# KiCad board qEdge-UI.kicad_pcb (continued)
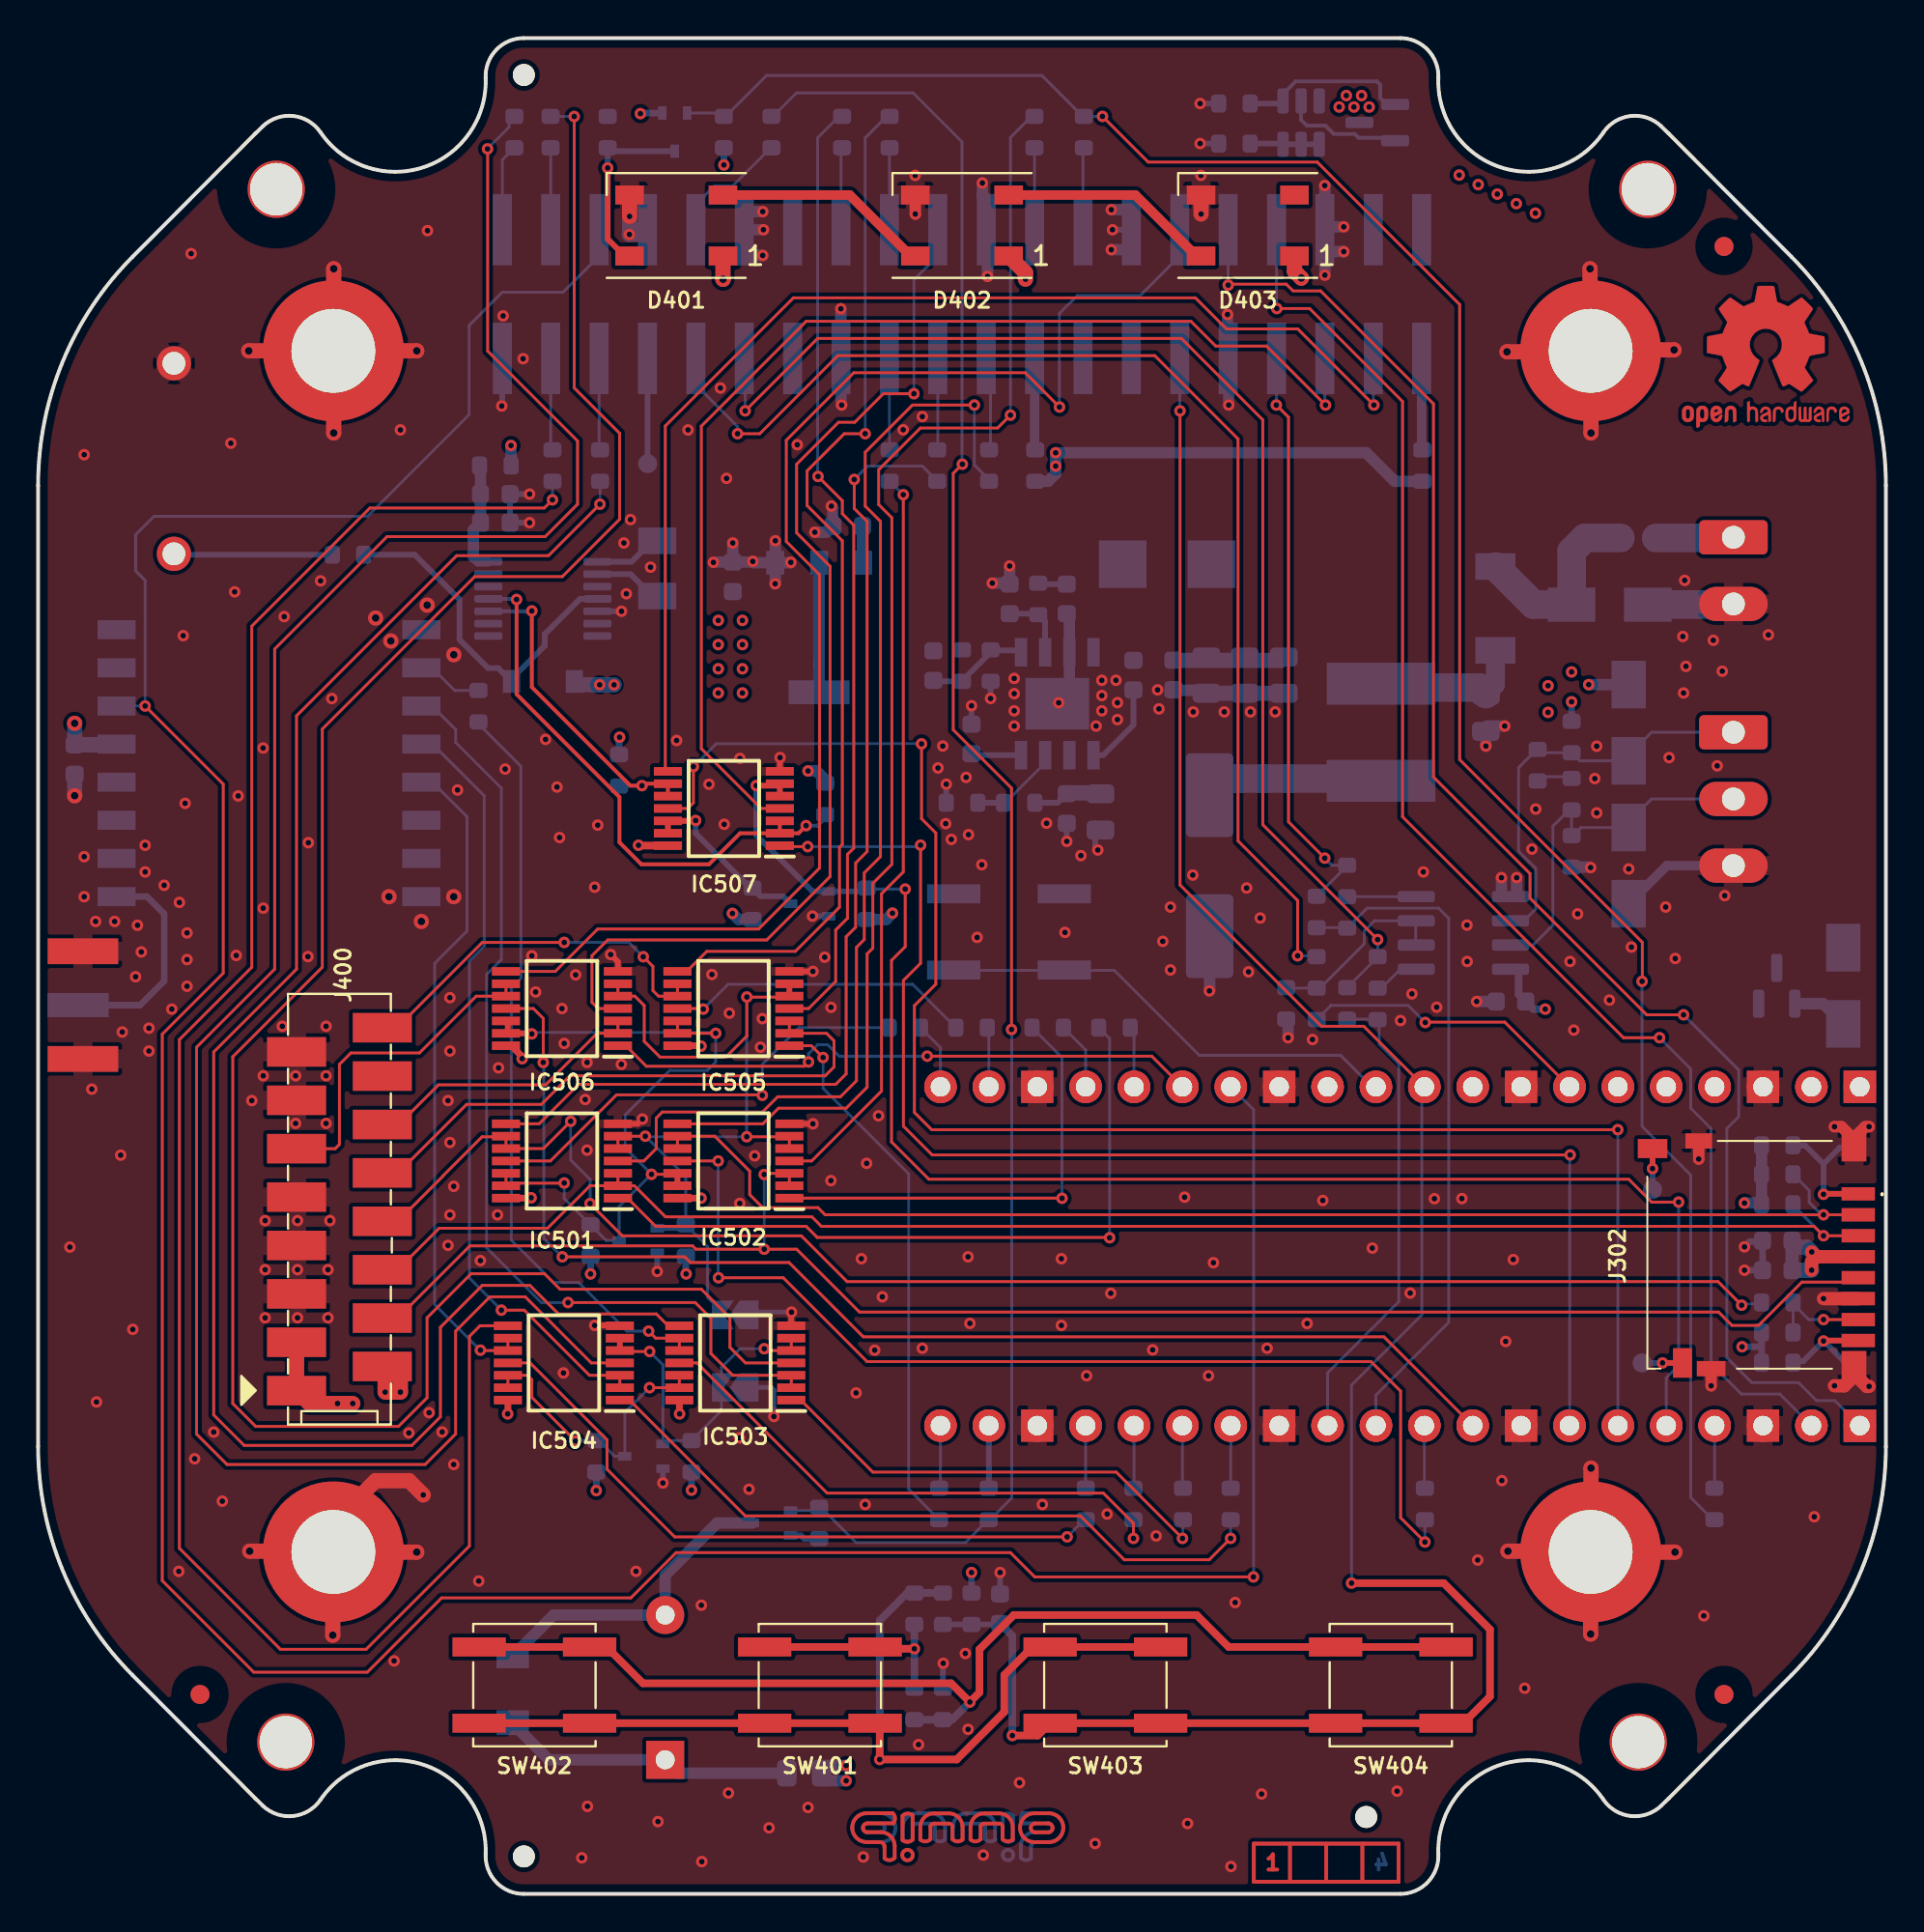
[diagram p0: board, top side]
## Footprints (pads in the part's own frame, mm; a bottom-side part is the same pattern mirrored in y, then rotated) (continued)
SolderJumper-2_P1.3mm_Open_TrianglePad1.0x1.5mm
  custom 1.5x1.5 smd: 1(-0.725,0)
  custom 1.15x1.5 smd: 2(0.725,0)
SOP65P640X110-14N
  rect 1.475x0.45 smd: 1(-2.938,1.95) 2(-2.938,1.3) 3(-2.938,0.65) 4(-2.938,0) 5(-2.938,-0.65) 6(-2.938,-1.3) 7(-2.938,-1.95) 8(2.938,-1.95) 9(2.938,-1.3) 10(2.938,-0.65) 11(2.938,0) 12(2.938,0.65) 13(2.938,1.3) 14(2.938,1.95)
SOT230P700X180-4N
  rect 1.25x0.95 smd: 1(-3.4,2.3) 2(-3.4,0) 3(-3.4,-2.3)
  rect 1.25x3.2 smd: 4(3.4,0)
SOT-23
  rrect 1.475x0.6 smd: 1(-0.938,0.95) 2(-0.938,-0.95) 3(0.938,0)
SOT-23-6
  rrect 1.325x0.6 smd: 1(-1.137,0.95) 2(-1.137,0) 3(-1.137,-0.95) 4(1.137,-0.95) 5(1.137,0) 6(1.137,0.95)
SOT-323_SC-70
  rect 0.7x0.45 smd: 1(-1,0.65) 2(-1,-0.65) 3(1,0)
SW_Push_1P1T_NO_CK_KSC6xxJ
  rect 2.8x1 smd: 1(-2.9,2) 1(2.9,2) 2(-2.9,-2) 2(2.9,-2)
TestPoint_Pad_D1.0mm
  round 1 smd: 1(0,0)
TSSOP-14_4.4x5mm_P0.65mm
  rrect 1.475x0.4 smd: 1(-2.862,1.95) 2(-2.862,1.3) 3(-2.862,0.65) 4(-2.862,0) 5(-2.862,-0.65) 6(-2.862,-1.3) 7(-2.862,-1.95) 8(2.862,-1.95) 9(2.862,-1.3) 10(2.862,-0.65) 11(2.862,0) 12(2.862,0.65) 13(2.862,1.3) 14(2.862,1.95)
Wuerth_WR-BHD_61234020621
  rect 1x3.75 smd: 1(-24.13,-3.375) 2(-24.13,3.375) 3(-21.59,-3.375) 4(-21.59,3.375) 5(-19.05,-3.375) 6(-19.05,3.375) 7(-16.51,-3.375) 8(-16.51,3.375) 9(-13.97,-3.375) 10(-13.97,3.375) 11(-11.43,-3.375) 12(-11.43,3.375) 13(-8.89,-3.375) 14(-8.89,3.375) 15(-6.35,-3.375) 16(-6.35,3.375) 17(-3.81,-3.375) 18(-3.81,3.375) 19(-1.27,-3.375) 20(-1.27,3.375) 21(1.27,-3.375) 22(1.27,3.375) 23(3.81,-3.375) 24(3.81,3.375) 25(6.35,-3.375) 26(6.35,3.375) 27(8.89,-3.375) 28(8.89,3.375) 29(11.43,-3.375) 30(11.43,3.375) 31(13.97,-3.375) 32(13.97,3.375) 33(16.51,-3.375) 34(16.51,3.375) 35(19.05,-3.375) 36(19.05,3.375) 37(21.59,-3.375) 38(21.59,3.375) 39(24.13,-3.375) 40(24.13,3.375)
Wuerth_WR-MM_690367281676
  rect 1.55x3.1 smd: 1(-9.525,2.25) 2(-8.255,-2.25) 3(-6.985,2.25) 4(-5.715,-2.25) 5(-4.445,2.25) 6(-3.175,-2.25) 7(-1.905,2.25) 8(-0.635,-2.25) 9(0.635,2.25) 10(1.905,-2.25) 11(3.175,2.25) 12(4.445,-2.25) 13(5.715,2.25) 14(6.985,-2.25) 15(8.255,2.25) 16(9.525,-2.25)

## Nets
+3V3: C209.1 C301.1 C302.1 C501.1 C503.1 D501.2 IC201.2 IC201.4 IC501.14 IC502.14 IC503.14 IC504.14 IC505.14 IC506.14 IC507.14 J302.4 J400.2 Q401.1 R330.1 R331.1 R333.1 R334.1 R335.1 R336.1 R338.1 R339.1 R401.1 R407.1 R411.1 R503.1 R504.1 R507.1 R509.1 R510.1 R511.1 R512.1 R513.1 R514.1 U501.13 U503.8
+5V: C206.1 C211.1 C212.1 C213.1 C214.1 C215.1 D300.1 D301.2 D401.1 D402.1 D403.1 IC201.3 J400.1 J400.3 L202.2 Q301.3 Q302.6 Q303.3 R202.1 R404.1
/Connectors, Power supplies/VIN_IC202: C202.1 C203.1 C204.1 IC202.2 L201.2 R204.1
/RPis, RTC, µSD/5V0_RPI-4B: J301.2 J301.4 Q302.5 Q303.2
GND: C201.2 C202.2 C203.2 C204.2 C205.2 C206.2 C208.2 C209.2 C210.2 C212.2 C213.2 C214.2 C215.2 C301.2 C302.2 C303.2 C304.2 C305.1 C403.2 C501.2 C503.2 D201.1 D401.3 D402.3 D403.3 D502.1 IC201.1 IC202.7 IC202.9 IC501.7 IC502.7 IC503.7 IC504.7 IC505.7 IC506.7 IC507.7 J201.2 J202.3 J301.6 J301.9 J301.14 J301.20 J301.25 J301.30 J301.34 J301.39 J302.6 J302.9 J302.10 J302.11 J302.12 J303.3 J303.8 J303.13 J303.18 J304.3 J304.8 J304.13 J304.18 J305.3 J305.8 J305.13 J305.18 J306.3 J306.8 J306.13 J306.18 J400.5 J400.7 J400.9 J400.13 J400.15 J501.2 JP500.1 JP501.1 Q402.2 Q501.2 Q502.2 Q503.2 R203.2 R205.2 R328.2 R329.2 R403.2 R410.2 R502.2 R506.2 SPA101.1 SPA102.1 SPA103.1 SPA104.1 SW301.1 U301.3 U301.8 U301.13 U301.18 U301.23 U301.28 U301.33 U301.38 U302.5 U501.1 U501.8 U501.10 U503.5
VCC: C201.1 D202.1 L201.1
/Comm. ifaces, Misc/4B_I2C0_SCL: IC507.4 J301.5
/Comm. ifaces, Misc/4B_I2C0_SDA: IC507.8 J301.3
/Comm. ifaces, Misc/4B_LCD_CS: IC505.8 R316.2
/Comm. ifaces, Misc/4B_LCD_DATA: IC506.4 J301.22
/Comm. ifaces, Misc/4B_LCD_LEDs: IC506.8 J301.12
/Comm. ifaces, Misc/4B_RTP_CS: IC505.4 R317.2
/Comm. ifaces, Misc/4B_SPI0_MISO: IC501.8 R310.1
/Comm. ifaces, Misc/4B_SPI0_MOSI: IC501.4 R309.1
/Comm. ifaces, Misc/4B_SPI0_SCK: IC502.4 R311.1
/Comm. ifaces, Misc/4B_SPI1_CS: IC504.8 R313.1
/Comm. ifaces, Misc/4B_SPI1_MISO: IC503.8 R312.1
/Comm. ifaces, Misc/4B_SPI1_MOSI: IC503.4 R319.2
/Comm. ifaces, Misc/4B_SPI1_SCK: IC504.4 R320.2
/Comm. ifaces, Misc/4B_uSD_CS: IC502.8 R315.2
/Comm. ifaces, Misc/CTRL_SPI0: IC501.12 IC501.13 IC502.12 IC502.13 IC505.12 IC505.13 IC506.12 IC506.13 Q501.3 R509.2
/Comm. ifaces, Misc/CTRL_SPI0#: IC501.5 IC501.6 IC502.5 IC502.6 IC505.5 IC505.6 IC506.5 IC506.6 JP500.2 Q501.1 R503.2
/Comm. ifaces, Misc/CTRL_SPI1: IC503.12 IC503.13 IC504.12 IC504.13 Q502.3 R510.2
/Comm. ifaces, Misc/CTRL_SPI1#: IC503.5 IC503.6 IC504.5 IC504.6 JP501.2 Q502.1 R507.2
/Comm. ifaces, Misc/I2C_SCL: IC507.2 IC507.3 R514.2 U302.11
/Comm. ifaces, Misc/I2C_SDA: IC507.9 IC507.10 R513.2 U302.10
/Comm. ifaces, Misc/LCD_CS: IC505.9 IC505.10 J400.16
/Comm. ifaces, Misc/LCD_DATA: IC506.2 IC506.3 J400.12
/Comm. ifaces, Misc/LCD_LEDs: IC506.9 IC506.10 J400.11
/Comm. ifaces, Misc/LoRa_Antenna: J501.1 U501.9
/Comm. ifaces, Misc/LoRa_CS: IC504.9 IC504.10 U501.5
/Comm. ifaces, Misc/LoRa_MISO: IC503.9 IC503.10 R508.2
/Comm. ifaces, Misc/LoRa_MOSI: IC503.2 IC503.3 U501.3
/Comm. ifaces, Misc/LoRa_SCK: IC504.2 IC504.3 U501.4
/Comm. ifaces, Misc/LoRa_SPI_MISO: R508.1 U501.2
/Comm. ifaces, Misc/Multi_MISO: IC501.9 IC501.10 J400.8 R332.1
/Comm. ifaces, Misc/Multi_MOSI: IC501.2 IC501.3 J302.3 J400.6 R333.2
/Comm. ifaces, Misc/Multi_SCK: IC502.2 IC502.3 J302.5 J400.4
/Comm. ifaces, Misc/Pico_LCD_CS: IC505.11 R323.2
/Comm. ifaces, Misc/Pico_RTP_CS: IC505.1 R308.1
/Comm. ifaces, Misc/Pico_SPI0_MISO: IC501.11 R324.2
/Comm. ifaces, Misc/Pico_SPI0_MOSI: IC501.1 R321.2
/Comm. ifaces, Misc/Pico_SPI0_SCK: IC502.1 R322.2
/Comm. ifaces, Misc/Pico_SPI1_CS: IC504.11 R306.1
/Comm. ifaces, Misc/Pico_SPI1_MISO: IC503.11 R305.1
/Comm. ifaces, Misc/Pico_SPI1_MOSI: IC503.1 R304.1
/Comm. ifaces, Misc/Pico_SPI1_SCK: IC504.1 R303.1
/Comm. ifaces, Misc/Pico_uSD_CS: IC502.11 R302.1
/Comm. ifaces, Misc/RS485_A: D501.1 J202.1 R504.2 R515.1 U503.6
/Comm. ifaces, Misc/RS485_B: D502.2 J202.2 R505.2 R506.1 U503.7
/Comm. ifaces, Misc/RTP_CS: IC505.2 IC505.3 J400.10
/Comm. ifaces, Misc/UART_RS485_EN: R325.2 R502.1 U503.2 U503.3
/Comm. ifaces, Misc/UART_RS485_RxD: R327.2 U503.1
/Comm. ifaces, Misc/UART_RS485_TxD: R326.2 U503.4
/Comm. ifaces, Misc/uSD_CS: IC502.9 IC502.10 J302.2 R331.2
/Connectors, Power supplies/COMP_IC202: C210.1 IC202.6 R201.1
/Connectors, Power supplies/EN_IC202: IC202.3 R204.2 R205.1
/Connectors, Power supplies/FB_IC202: C211.2 IC202.5 R202.2 R203.1
/Connectors, Power supplies/SS_IC202: C205.1 IC202.4
/Connectors, Power supplies/SW_IC202: C207.1 IC202.8 L202.1
/Connectors, Power supplies/V_IN: F201.1 J201.1
/Connectors, Power supplies/V_IN_PROT: D201.2 D202.2 F201.2
/RPis, RTC, µSD/4B_Buzzer: J301.32 R318.1
/RPis, RTC, µSD/4B_RGB_LED: J301.16 R314.1
/RPis, RTC, µSD/4B_SPI0_CE0#: J301.24 R316.1
/RPis, RTC, µSD/4B_SPI0_CE1#: J301.26 R317.1
/RPis, RTC, µSD/4B_SPI0_CLK_T: J301.23 R311.2
/RPis, RTC, µSD/4B_SPI0_MISO_T: J301.21 R310.2
/RPis, RTC, µSD/4B_SPI0_MOSI_T: J301.19 R309.2
/RPis, RTC, µSD/4B_SPI1_CLK_T: J301.40 R320.1
/RPis, RTC, µSD/4B_SPI1_CS_T: J301.37 R313.2
/RPis, RTC, µSD/4B_SPI1_MISO_T: J301.35 R312.2
/RPis, RTC, µSD/4B_SPI1_MOSI_T: J301.38 R319.1
/RPis, RTC, µSD/4B_UART_RS485_EN: J301.31 R325.3
/RPis, RTC, µSD/4B_UART_RS485_RxD: J301.29 R327.3 R341.1
/RPis, RTC, µSD/4B_UART_RS485_TxD: J301.7 R326.3 R340.1
/RPis, RTC, µSD/4B_uSD_CS_T: J301.18 R315.1
/RPis, RTC, µSD/Buzzer: Q402.1 R307.1 R318.2 R410.1
/RPis, RTC, µSD/CTRL_I2C_Pico#: IC507.5 IC507.6 J303.5 J305.5 Q503.1 R511.2 U301.5
/RPis, RTC, µSD/Key_ADC: C403.1 J301.11 J304.10 J306.10 R406.2 R407.2 SW403.2 SW404.2 U301.31
/RPis, RTC, µSD/LoRa_Int: J301.36 J304.14 J306.14 U301.27 U501.14
/RPis, RTC, µSD/Pico_Buzzer: J303.19 J305.19 R307.2 U301.19
/RPis, RTC, µSD/Pico_I2C0_SCL: IC507.1 J303.7 J305.7 U301.7
/RPis, RTC, µSD/Pico_I2C0_SDA: IC507.11 J303.6 J305.6 U301.6
/RPis, RTC, µSD/Pico_LCD_CS_T: J304.19 J306.19 R323.1 U301.22
/RPis, RTC, µSD/Pico_LCD_DATA: IC506.1 J304.15 J306.15 U301.26
/RPis, RTC, µSD/Pico_LCD_LEDs: IC506.11 J303.9 J305.9 U301.9
/RPis, RTC, µSD/Pico_RGB_LED: J303.4 J305.4 R301.2 U301.4
/RPis, RTC, µSD/Pico_RTP_CS_T: J303.20 J305.20 R308.2 U301.20
/RPis, RTC, µSD/Pico_RUN: J304.11 J306.11 SW301.2 U301.30
/RPis, RTC, µSD/Pico_SPI0_MISO_T: J304.20 J306.20 R324.1 U301.21
/RPis, RTC, µSD/Pico_SPI0_MOSI_T: J304.16 J306.16 R321.1 U301.25
/RPis, RTC, µSD/Pico_SPI0_SCK_T: J304.17 J306.17 R322.1 U301.24
/RPis, RTC, µSD/Pico_SPI1_CS_T: J303.17 J305.17 R306.2 U301.17
/RPis, RTC, µSD/Pico_SPI1_MISO_T: J303.16 J305.16 R305.2 U301.16
/RPis, RTC, µSD/Pico_SPI1_MOSI_T: J303.15 J305.15 R304.2 U301.15
/RPis, RTC, µSD/Pico_SPI1_SCK_T: J303.14 J305.14 R303.2 U301.14
/RPis, RTC, µSD/Pico_UART_RS485_EN: J304.7 J306.7 R325.1 U301.34
/RPis, RTC, µSD/Pico_UART_RS485_RxD: J303.12 J305.12 R327.1 R341.2 U301.12
/RPis, RTC, µSD/Pico_UART_RS485_TxD: J303.11 J305.11 R326.1 R340.2 U301.11
/RPis, RTC, µSD/Pico_uSD_CS_T: J303.10 J305.10 R302.2 U301.10
/RPis, RTC, µSD/Pico_VBUS: D300.2 J304.1 J306.1 Q301.1 U301.40
/RPis, RTC, µSD/Pico_VSYS: J304.2 J306.2 Q301.2 U301.39
/RPis, RTC, µSD/RGB_LED: Q401.2 R301.1 R314.2 R401.2
/RPis, RTC, µSD/UART-4B_RxD-Pico_TxD: J301.10 J303.1 J305.1 U301.1
/RPis, RTC, µSD/UART-4B_TxD-Pico_RxD: J301.8 J303.2 J305.2 U301.2
/RPis, RTC, µSD/uSD_DAT1: J302.8 R335.2 TP303.1
/RPis, RTC, µSD/uSD_DAT2: J302.1 R330.2 TP302.1
/RPis, RTC, µSD/uSD_SPI_MISO: J302.7 R332.2 R334.2
Net-(BZ401-Pad1): BZ401.1 D404.1 R411.2
Net-(BZ401-Pad2): BZ401.2 D404.2 Q402.3
Net-(C207-Pad2): C207.2 IC202.1
Net-(C208-Pad1): C208.1 R201.2
Net-(C303-Pad1): C303.1 C304.1 R336.2 U302.14
Net-(C305-Pad2): C305.2 R337.2
Net-(D301-Pad1): D301.1 R337.1 U302.4
Net-(D401-Pad2): D401.2 D402.4
Net-(D401-Pad4): D401.4 Q401.3 R404.2
Net-(D402-Pad2): D402.2 D403.4
Net-(IC507-Pad12): IC507.12 IC507.13 Q503.3 R512.2
Net-(J301-Pad1): J301.1 R339.2
Net-(J301-Pad17): J301.17 R338.2
Net-(J301-Pad33): J301.33 TP301.1
Net-(J302-PadCD1): J302.CD1 TP304.1
Net-(J302-PadCD2): J302.CD2 TP305.1
Net-(Q302-Pad1): Q302.1 Q302.2 Q302.3 R328.1
Net-(Q302-Pad4): Q302.4 Q303.1 R329.1
Net-(R402-Pad1): R402.1 R405.1 SW401.1
Net-(R402-Pad2): R402.2 R403.1 SW402.1 SW404.1
Net-(R405-Pad2): R405.2 R406.1 SW401.2 SW402.2 SW403.1
Net-(R505-Pad1): R505.1 R515.2
Net-(U302-Pad1): U302.1 Y301.2
Net-(U302-Pad2): U302.2 Y301.1

Pads without a net: D403 2; J301 13 15 27 28; J304 4 5 6 9 12; J306 4 5 6 9 12; J400 14; U301 29 32 35 36 37; U302 3 6 7 8 9 12 13; U501 6 7 11 12 15 16

## Via types
v1: diameter 0.6, hole 0.3, Top to Bottom, 472 vias
v2: diameter 0.8, hole 0.4, Top to Bottom, 26 vias

## Routing (per net, layer and track width the routed paths; a pad name or vN(x,y) marks a point on that pad's centre or on a via; arc(x,y) is an arc through that point)
+3V3: length 80
  Top w0.35: v1(34.8,44.49) 34.77,44.52 IC505.14 ; IC501.14 25.86,36.52 v1(25.88,36.54) ; v1(24.65,25.19) 24.66,25.2 IC504.14 ; v1(33.68,25.19) 33.66,25.21 IC503.14 ; IC502.14 v1(34.8,36.52) ; v1(25.41,43.84) 25.41,43.94 24.92,44.44 24.92,44.52
  Top w0.4: IC507.14 31.54,55.02 v1(31.52,55.04)
  Top w0.7: 93.36,33.44 93.1,33.18 v1(93.1,32.73) ; 93.36,33.44 v1(93.11,33.69) ; 93.36,33.44 J302.4
  Top w0.8: 18.22,26.39 18.22,27.89 ; 19.02,27.84 v1(19.02,26.34) v1(18.22,26.34)
  Bottom w0.35: R401.1 v1(36,90.74) ; v1(30.52,60.71) 30.5,60.68 R513.1 ; 90.47,28.72 90.47,27.97 ; 90.47,28.72 R334.1 ; 90.47,28.72 v1(89.45,28.72) ; R503.1 34,32.56 v1(34.02,32.54) ; R504.1 v1(80.5,62.57) ; R509.1 v1(29,32.54) ; Q401.1 31.65,93.47 v1(31.62,93.44) ; v1(34.3,21.19) R507.1 ; R407.1 v1(49,16.87) ; v1(29.3,21.17) R510.1
  Bottom w0.4: 77.59,48.53 77.72,48.41 77.72,47.21 78.49,46.44 v1(79.12,46.44)
  Bottom w0.6: IC201.2 IC201.4 ; R511.1 44.52,51.14 v1(44.85,51.47) ; v1(53.42,75.64) 69.72,75.64 71.22,74.14 72.66,74.14 R339.1 ; v1(53.42,75.64) v1(53.42,74.94) ; v1(53.42,75.64) 53.42,74.54 53.02,74.14 R338.1 ; v1(36.45,51.46) 36.77,51.14 R512.1 ; v1(40.42,58.94) 40.86,58.94 41.5,58.29 ; v1(89.57,36.26) 89.58,36.27 90.47,36.27 90.47,39.27 ; 42.41,6.74 41.42,6.74 ; 24.82,74.97 v1(24.82,76.02) ; 42.37,5.94 41.07,5.94 ; D501.2 v1(81.4,63.47) ; 41.43,6.64 R411.1
  Bottom w0.7: 92.07,34.23 C301.1
  Bottom w0.8: U501.13 4.08,60.31 C503.1 v2(1.92,61.44) ; C301.1 v1(93.1,32.73) ; v1(93.11,33.69) 92.86,33.94 92.37,33.94 92.07,34.23
  vias: v1(35.71,66.84) v1(35.71,65.57) v1(35.71,64.3) v1(35.71,63.03) v1(36.98,66.84) v1(36.98,65.57) v1(36.98,64.3) v1(36.98,63.03) v1(42.42,6.74) v1(42.42,5.94) v1(79.27,63.41) v1(79.27,62.01) v1(80.5,64.13)
+5V: length 73.2
  Top w0.8: D401.1 35.95,84.76 v2(35.96,84.75) ; D403.1 65.95,85.17 v2(66.31,84.81) ; D402.1 51.83,85.08 v1(51.83,84.75) ; J400.3 J400.1 14.24,25.74 v1(16.52,25.74)
  In2.Cu w0.8: v1(30.23,63.46) 30.23,63.46 v1(29.48,63.46) 26.9,66.04 20.72,66.04 16.82,62.14 16.82,26.04 v1(16.52,25.74) v1(15.72,25.74)
  Bottom w0.6: C206.1 43.27,69.89
  Bottom w0.8: C212.1 59.6,64.74 65.22,64.74 C215.1 ; 28.16,63.46 30.23,63.46 v1(30.23,63.46)
  vias: v1(68.3,93.78) v1(68.68,94.38) v1(69.07,93.78) v1(69.47,94.38) v1(69.88,93.78) v1(74.6,90.21) v1(75.6,89.71) v1(76.6,89.21) v1(77.6,88.71) v1(78.6,88.21)
/Connectors, Power supplies/VIN_IC202: length 12.7
  Bottom w0.3: C204.1 53.52,57.27 52.32,57.27
  Bottom w0.8: 55.46,57.79 54.04,57.79 C204.1
  Bottom w1.5: 70.5,58.62 70.42,58.54 62.37,58.54 C202.1
/RPis, RTC, µSD/5V0_RPI-4B: length 6.2
  Bottom w0.2: 71.09,92.17 69.32,92.17 69.12,92.37 68.02,92.37 67.57,92.81 66.6,92.81 66.3,93.11 Q302.5
GND: length 149.5
  Top w0.3: IC501.7 31.48,40.42 v1(31.73,40.67) ; v1(30.06,49.3) 30.44,48.92 IC506.7 ; v1(29.22,29.84) 30.52,29.84 IC504.7 ; IC505.7 v1(40.68,48.42) ; v1(38.95,59.64) 38.94,59.63 IC507.7 ; IC502.7 v1(40.68,40.42) ; IC503.7 39.54,30.52 v1(39.55,30.53)
  Top w0.6: J302.11 v1(87.82,26.67) ; v1(96.12,40.27) 95.91,40.27 95.32,39.68 J302.10 ; v1(94.3,40.27) 94.67,40.27 95.32,39.61 ; D402.3 v1(46.05,88.17) ; J302.12 v1(87.17,38.57)
  Top w0.7: 95.32,27.69 95.32,27.18 94.81,26.67 v1(94.3,26.67) ; v1(96.12,26.64) 96,26.64 95.32,27.31 ; J302.6 v1(93.72,31.24)
  Top w0.8: 84.57,17.94 85.91,17.94 ; 18.52,17.94 19.86,17.94 ; 81.47,83.94 81.47,85.28 ; 81.52,20.99 81.52,22.33 ; 15.52,83.94 15.52,85.28 ; SPA101.1 16.93,20.9 17.72,21.69 19.47,21.69 v1(20.22,20.94) ; D403.3 v1(61.05,88.17) ; 84.52,81.04 85.86,81.04 ; 78.52,17.99 77.18,17.99 ; 78.47,80.94 77.13,80.94 ; 18.52,80.99 19.86,80.99 ; 12.42,80.99 11.08,80.99 ; 12.47,17.99 11.13,17.99 ; 15.52,78.04 15.52,76.7 ; 81.52,78.04 81.52,76.7 ; 15.47,14.94 15.47,13.6 ; SPA102.1 81.5,13.66 ; D401.3 v1(31.05,88.04)
  Bottom w0.15: U503.5 76.69,52.34 76.62,52.41
  Bottom w0.25: v1(38.63,25.06) 38.63,26.43 38.48,26.58 JP501.1 ; v1(39.55,30.53) 39.55,30.54 37.47,30.54 JP500.1
  Bottom w0.3: C403.2 v1(50.5,16.87) ; U302.5 v1(30.63,67.32) ; R328.2 v1(61,91.87) ; v1(55.63,54.79) 55.5,54.92 55.5,56.19 ; Q502.2 v1(32.8,21.57) ; v1(25.8,71.97) C304.2 C303.2 v1(25.8,73.47) ; R410.2 40.21,18.64 40.04,18.82 Q402.2 ; 36.47,69.95 v1(36.47,70.9) ; Q501.2 v1(32.5,32.67) ; 81.47,53.89 v1(81.5,53.87) ; R329.2 v1(61,93.97) ; Q503.2 v1(40.65,51.32) ; R403.2 47.5,12.09 v1(47.52,12.1) ; R205.2 v1(47.68,58.24) ; C205.2 v1(49,62.36) ; J301.39 24.37,78.12 v1(24.34,78.09) ; C204.2 v1(54,55.24) ; R203.2 v1(50,62.74) ; J301.14 v1(56.4,87.34) ; C206.2 41.4,71.47
  Bottom w0.35: v1(89.57,32.73) C301.2 90.53,34.23 89.85,34.23 v1(89.57,33.96)
  Bottom w0.5: 61.31,63.04 C213.2 ; D502.1 85.5,53.97 88.9,53.97 ; C212.2 59.76,63.04
  Bottom w0.6: v1(41.64,72.84) 41.73,72.76 C206.2 ; v1(56.34,88.39) 57.34,88.39 ; v1(61.49,47.39) 61.5,47.41 C202.2 ; v1(38.04,85.99) 37.14,85.99 ; C209.2 37.48,69.9 v1(37.52,69.94) 37.59,69.87 IC201.1 ; C209.2 v1(36.47,70.9) ; C209.2 35.46,69.9 v1(35.45,69.89) ; R506.2 81.47,53.89 ; 76.04,61.29 v1(76.99,61.29) ; v1(39.52,69.89) 39.5,69.87 IC201.1 ; 41.4,71.47 v1(40.77,71.47) ; v1(38.69,68.76) 38.7,68.77 IC201.1 ; J301.9 62.5,80.56 v1(62.5,78.14) ; 54.13,63.1 IC202.7 54.13,67.06 ; J301.25 42.15,78.17 v1(42.18,78.14) ; 76,61.19 v1(76,60.24) ; v1(49.57,89.79) 49.57,89.17 49.77,88.96 J301.20 ; v1(56.34,86.29) 57.44,86.29 ; IC201.1 v1(38.7,71.02) ; v1(67.54,89.66) 67.55,89.66 J301.6 v1(67.55,84.96) ; 61.31,63.04 61.18,63.17 59.89,63.17 59.76,63.04 ; v1(65.62,44.94) 65.62,45.96 ; v1(68.54,87.49) 67.74,87.49 ; 51.04,68.79 v1(50.09,68.79) ; v1(49.84,84.89) 49.84,87.27 ; v1(75.52,46.84) C501.2 ; C210.2 v1(51,69.69) ; v1(42.14,83.19) 42.14,80.6 ; v1(38.04,88.29) 37.14,88.29 ; v1(38.07,87.34) J301.30 ; v1(68.54,86.19) 67.74,86.19 ; v1(76.82,53.34) 76.82,52.61 ; v1(62.44,82.89) 62.44,80.62 ; v1(77.62,53.34) 77.62,52.41
  Bottom w0.8: C213.2 C215.2 ; v1(31.05,88.04) 31.05,87.1 31.75,87.1 J301.34 31.29,87.34 v1(31.04,87.09) ; C503.2 v2(1.92,57.64)
  Bottom w1.5: 88.9,67.67 D201.1
  vias: v1(1.67,33.95) v1(2.42,75.54) v1(2.42,54.44) v1(2.42,52.34) v1(2.82,42.24) v1(3.02,51.04) v1(3.07,25.82) v1(4.02,51.04) v1(4.34,38.77) v1(4.42,45.24) v1(4.97,29.63) v1(5.12,48.14) v1(5.22,50.84) v1(5.42,49.44) v1(5.62,55.04) v1(5.62,53.64) v1(5.82,45.44) v1(5.82,44.24) v1(6.62,52.94) v1(7.02,46.44) v1(7.42,52.04) v1(7.38,16.93) v1(7.62,66.04) v1(7.72,57.24) v1(7.82,50.44) v1(7.82,49.04) v1(7.82,47.64) v1(8.03,86.09) v1(8.22,22.84) v1(9.22,24.24) v1(9.67,20.61) v1(10.12,76.14) v1(10.32,68.34) v1(10.4,49.26) v1(10.5,57.63) v1(11.22,41.64) v1(11.81,60.14) v1(11.82,51.74) v1(11.82,42.94) v1(11.92,35.34) v1(11.92,32.76) v1(11.92,30.24) v1(12.82,45.54) v1(12.92,67.04) v1(13.52,42.94) v1(13.52,40.44) v1(13.62,35.34) v1(13.62,32.76) v1(13.62,30.24) v1(14.19,55.17) v1(14.17,49.2) v1(14.83,68.92) v1(15.12,45.54) v1(15.12,42.94) v1(15.12,40.44) v1(15.22,32.76) v1(15.22,30.24) v1(15.32,35.34) v1(15.42,62.74) v1(18.69,12.23) v1(19.02,76.84) v1(19.46,24.19) v1(20.44,87.29) v1(20.52,25.26) v1(21.21,24.24) v1(21.52,41.64) v1(21.52,34.04) v1(21.62,47.04) v1(21.62,44.24) v1(21.62,39.44) v1(21.62,35.64) v1(21.82,37.14) v1(21.82,22.54) v1(22.02,57.94) v1(23.13,16.42) v1(23.22,33.24) v1(24.12,35.64) v1(24.17,43.36) v1(24.41,82.82) v1(24.52,59.04) v1(25.46,80.57) v1(25.92,49.24) v1(26.12,47.34) v1(26.64,60.59) v1(27.24,58.09) v1(27.38,55.44) v1(27.5,46.47) v1(27.62,44.64) v1(27.58,27.34) v1(28.22,48.24) v1(28.54,1.89) v1(28.72,41.69) v1(28.82,43.64) v1(28.82,39.04) v1(28.84,4.59) v1(29.22,52.84) v1(29.38,56.09) v1(30.62,43.54) v1(30.75,70.9) v1(30.88,68.24) v1(31.1,72.13) v1(31.39,16.93) v1(32.15,69.63) v1(32.54,3.79) v1(33.52,60.54) v1(34.12,76.84) v1(34.82,15.15) v1(34.84,1.69) v1(35.22,58.24) v1(35.37,48.25) v1(35.82,79.04) v1(36.02,56.14) v1(36.14,74.29) v1(36.24,5.29) v1(36.29,46.23) v1(36.84,59.59) v1(36.83,36.24) v1(36.82,23.94) v1(37.32,21.24) v1(37.62,38.74) v1(37.92,44.44) v1(38.02,45.94) v1(38.37,3.47) v1(39.85,76.06) v1(40.42,4.54) v1(41.29,49.16) v1(41.62,46.53) v1(41.62,37.44) v1(42.94,26.29) v1(43.22,33.34) v1(43.32,1.94) v1(43.42,20.44) v1(43.49,38.34) v1(43.92,28.54) v1(44.12,40.84) v1(44.32,31.34) v1(45.41,76.84) v1(46.04,90.19) v1(46.22,7.84) v1(46.42,77.54) v1(46.42,28.64) v1(47.24,59.09) v1(47.49,60.24) v1(47.64,56.17) v1(47.94,55.34) v1(48.72,58.6) v1(48.68,12.62) v1(48.84,55.59) v1(48.82,33.44) v1(48.82,8.64) v1(48.91,29.94) v1(49.29,50.2) v1(49.54,54.02) v1(49.62,2.04) v1(51.24,63.79) v1(51.24,62.99) v1(51.24,62.09) v1(51.24,61.29) v1(51.52,5.84) v1(52.72,20.44) v1(52.94,56.19) v1(53.57,62.52) v1(53.72,33.34) v1(53.72,29.84) v1(53.91,50.46) v1(54.74,54.49) v1(55.04,27.19) v1(55.54,61.29) v1(55.49,2.64) v1(55.84,63.69) v1(55.84,62.89) v1(55.84,62.09) v1(56.12,19.94) v1(56.31,31.52) v1(56.58,63.7) v1(56.66,62.52) v1(56.66,61.63) v1(58.51,28.56) v1(58.69,18.79) v1(58.77,63.19) v1(58.84,62.19) v1(59.04,49.99) v1(59.44,51.79) v1(59.44,48.49) v1(60.19,36.57) v1(60.34,3.69) v1(60.64,62.04) v1(60.62,53.47) v1(61.04,90.19) v1(61.44,27.19) v1(61.7,33.13) v1(62.27,62.04) v1(62.62,1.44) v1(62.84,15.29) v1(63.44,52.79) v1(63.54,48.39) v1(63.64,62.04) v1(64.15,51.22) v1(64.23,5.24) v1(64.52,28.64) v1(64.94,62.04) v1(66.62,29.94) v1(66.9,44.84) v1(67.44,36.39) v1(70.04,33.89) v1(71.34,5.39) v1(71.52,45.84) v1(72.03,31.53) v1(72.12,47.24) v1(72.72,53.64) v1(73.3,36.49) v1(73.42,46.54) v1(74.74,36.49) v1(75.01,50.85) v1(75.02,48.94) v1(75.57,17.52) v1(76.84,21.69) v1(77.04,28.99) v1(77.44,33.29) v1(78.04,10.79) v1(78.42,54.84) v1(78.62,56.94) v1(80.42,48.94) v1(80.62,45.34) v1(80.82,51.44) v1(81.72,58.54) v1(81.82,60.24) v1(81.82,56.74) v1(82.49,46.91) v1(83.5,53.79) v1(83.64,49.69) v1(85.44,51.79) v1(85.62,59.64) v1(85.94,49.09) v1(86.34,65.99) v1(86.44,68.94) v1(86.38,63.03) v1(86.5,64.43) v1(87.44,14.59) v1(87.94,65.79) v1(88.14,59.21) v1(88.41,64.17) v1(88.54,52.39) v1(90.83,66.08) v1(93.24,19.79) v2(11.06,80.99) v2(11.11,17.99) v2(15.52,85.3) v2(15.52,76.68) v2(15.47,13.58) v2(17.72,66.96) v2(18.42,52.34) v2(18.52,65.76) v2(19.88,80.99) v2(19.88,17.94) v2(20.12,51.04) v2(20.42,67.64) v2(21.82,65.04) v2(21.82,52.34) v2(77.11,80.94) v2(77.16,17.99) v2(81.47,85.3) v2(81.52,76.68) v2(81.52,22.35) v2(81.5,13.64) v2(85.88,81.04) v2(85.93,17.94)
VCC: length 8.2
  Bottom w1: D202.1 76.5,63.47 76,62.97
  Bottom w1.5: 76,62.97 75.65,63.32 70.5,63.32
/Comm. ifaces, Misc/4B_I2C0_SCL: length 61.7
  Top w0.15: IC507.4 37.96,56.97 34.82,60.11 34.82,77.04 40.32,82.54 60.52,82.54 61.82,81.24 64.49,81.24 v1(67.58,78.14)
  Bottom w0.15: v1(67.58,78.14) 67.55,78.17 J301.5
/Comm. ifaces, Misc/4B_I2C0_SDA: length 62.9
  Top w0.15: v1(70.12,78.14) 66.13,82.14 62.38,82.14 60.75,83.77 39.65,83.77 32.93,77.04 32.93,58.92
  Bottom w0.15: J301.3 70.09,78.17 v1(70.12,78.14)
/Comm. ifaces, Misc/4B_LCD_CS: length 54.3
  Top w0.15: v1(43.42,76.64) 42.32,76.64 40.37,74.69 40.37,72.87 42.22,71.02 42.22,55.08 42.07,54.93 42.07,51.79 39.75,49.47 35.1,49.47 34.05,48.42
  Bottom w0.15: R316.2 44.55,93.29 43.42,92.16 v1(43.42,76.64)
/Comm. ifaces, Misc/4B_LCD_DATA: length 56
  Top w0.15: IC506.4 29.4,46.47 29.07,46.79 29.07,49.24 29.9,50.07 38.25,50.07 41.58,53.39 41.58,69.68 39.82,71.44 39.82,75.04 42.02,77.24 42.87,77.24 44.37,78.74 v1(45.98,78.74)
  Bottom w0.15: v1(45.98,78.74) 45.98,84.72 47.23,85.97
/Comm. ifaces, Misc/4B_LCD_LEDs: length 72.3
  Top w0.15: IC506.8 27.15,48.42 29.38,50.64 37.82,50.64 41.02,53.84 41.02,69.24 39.27,70.98 39.27,76.29 42.82,79.84 51.82,79.84 v1(53.62,78.04)
  Bottom w0.15: J301.12 59.93,85.97 57.86,83.89 54.56,83.89 53.61,82.95 53.61,78.04 v1(53.62,78.04)
/Comm. ifaces, Misc/4B_RTP_CS: length 50.2
  Top w0.15: IC505.4 40.45,46.47 41.87,47.89 41.87,50.59 42.49,51.21 42.49,54.56 42.82,54.89 42.82,71.84 42.22,72.44 42.22,73.12 v1(40.94,74.39)
  Bottom w0.15: v1(40.94,74.39) 40.92,74.42 40.92,92.16 42.05,93.29 R317.2
/Comm. ifaces, Misc/4B_SPI0_MISO: length 55.9
  Top w0.15: v1(42.84,74.24) 42.84,72.71 43.52,72.04 43.52,54.71 42.92,54.11 42.92,50.74 42.42,50.24 42.42,43.04 41.87,42.49 28.37,42.49 26.3,40.42 IC501.8
  Bottom w0.15: R310.1 47.2,74.16 46.42,74.94 43.54,74.94 v1(42.84,74.24)
/Comm. ifaces, Misc/4B_SPI0_MOSI: length 60.2
  Top w0.15: IC501.4 31.8,38.47 32.45,39.12 32.45,40.72 32.77,41.04 38.02,41.04 38.82,41.84 42.12,41.84 42.96,42.68 42.96,49.68 43.37,50.09 43.37,53.59 44.22,54.44 44.22,72.04 43.42,72.84 43.42,75.66 45.9,78.14 v1(49.15,78.14)
  Bottom w0.15: v1(49.15,78.14) 49.15,74.99 50,74.14
/Comm. ifaces, Misc/4B_SPI0_SCK: length 39.1
  Top w0.15: IC502.4 40.61,38.47 44.27,42.13 44.27,52.49 45.42,53.64 v1(45.42,73.44)
  Bottom w0.15: R311.1 44.71,74.14 v1(45.42,73.44)
/Comm. ifaces, Misc/4B_SPI1_CS: length 102.4
  Top w0.15: v1(27,73.17) 26.57,72.74 17.42,72.74 11.22,66.54 11.22,48.64 7.42,44.84 7.42,18.14 12.72,12.84 17.22,12.84 22.64,18.26 22.64,29.26 23.2,29.82 IC504.8
  Bottom w0.15: R313.1 v1(27,73.17)
/Comm. ifaces, Misc/4B_SPI1_MISO: length 91.8
  Top w0.15: v1(29.49,72.94) 26.79,70.24 21.97,70.24 13.57,61.83 13.57,48.54 9.22,44.19 9.22,25.14 10.82,23.54 19.62,23.54 21.12,25.04 21.12,29.74 23.32,31.94 25.82,31.94 27.32,30.44 32.46,30.44 33.07,29.82
  Bottom w0.15: v1(29.49,72.94) 29.5,72.94 29.5,73.94 29.4,74.04
/Comm. ifaces, Misc/4B_SPI1_MOSI: length 118.9
  Top w0.15: v1(28.14,93.29) 28.14,79.04 30.52,76.66 30.52,72.14 27.52,69.14 22.92,69.14 14.92,61.14 14.92,48.64 10.22,43.94 10.22,25.74 11.42,24.54 18.92,24.54 20.42,26.04 20.42,30.24 22.73,32.55 26.58,32.55 27.4,31.74 34.82,31.74 36.32,30.24 36.32,28.68 37.14,27.87 IC503.4
  Bottom w0.15: v1(28.14,93.29) 28.14,93.29 27.29,93.29
/Comm. ifaces, Misc/4B_SPI1_SCK: length 115.9
  Top w0.15: IC504.4 29.04,27.87 25.57,31.34 23.72,31.34 21.92,29.54 21.92,24.14 20.32,22.54 9.92,22.54 8.32,24.14 8.32,44.44 12.42,48.54 12.42,65.34 18.32,71.24 26.62,71.24 28.32,72.94 28.32,76.26 23.6,80.98 23.6,91.58 v1(23.59,91.59)
  Bottom w0.15: v1(23.59,91.59) 23.59,91.6 24.73,92.73 24.73,93.29
/Comm. ifaces, Misc/4B_uSD_CS: length 68.4
  Top w0.15: v1(51.04,77.61) 50.37,76.94 46.32,76.94 44.13,74.74 44.13,72.92 44.82,72.23 44.82,54.04 43.82,53.04 43.82,49.64 43.52,49.34 43.52,42.34 42.42,41.24 38.87,41.24 38.05,40.42 IC502.8
  Bottom w0.15: v1(51.04,77.61) 51.04,92.19 52.15,93.29 R315.2
/Comm. ifaces, Misc/CTRL_SPI0: length 39.9
  Top w0.15: IC505.12 IC505.13 35.57,45.17 v1(35.57,45.17) ; v1(25.92,45.14) 25.64,45.14 25.61,45.17 ; IC501.12 IC501.13 24.7,37.3 27.61,37.3 v1(27.62,37.31) ; v1(32.2,37.77) 33.51,37.77
  Top w0.3: 25.61,45.17 IC506.13 ; IC502.12 IC502.13 ; 24.66,45.26 24.66,45.72 IC506.12
  Bottom w0.15: v1(25.92,45.14) 25.99,45.21 35.53,45.21 v1(35.57,45.17) 35.57,43.67 35.13,43.22 33.15,43.22 30.82,40.89 30.82,39.15 v1(32.2,37.77) 30.5,36.07 Q501.3 29.82,34.29 R509.2 27.62,36.5 v1(27.62,37.31)
/Comm. ifaces, Misc/CTRL_SPI0#: length 45.2
  Top w0.15: IC501.5 IC501.6 v1(31.88,39.77) ; v1(37.2,39.74) 39.41,39.74 IC502.6 IC502.5 ; 39.39,47.07 37.21,47.07 v1(37.21,47.07) 37.21,45.03 36.1,43.92 32.65,43.92 31.82,44.75 31.82,46.63 31.33,47.12 IC506.5 IC506.6
  Top w0.3: IC505.5 IC505.6
  Bottom w0.15: JP500.2 35.87,30.59 35.14,31.31 35.14,33.97 R503.2 34,37.64 v1(31.88,39.77) 31.91,39.74 v1(37.2,39.74) 37.2,47.07 v1(37.21,47.07)
  Bottom w0.3: Q501.1 33.82,34.94
/Comm. ifaces, Misc/CTRL_SPI1: length 15.5
  Top w0.15: v1(32.1,26.57) IC503.13 IC503.12 ; IC504.13 IC504.12 25.69,27.22 25.92,26.99 25.92,26.06 v1(28.21,23.77)
  Bottom w0.15: v1(28.21,23.77) 28.24,23.79 R510.2 29.44,23.79 30.26,22.97 Q502.3 30.8,25.27 v1(32.1,26.57)
/Comm. ifaces, Misc/CTRL_SPI1#: length 17.9
  Top w0.15: v1(38.12,28.61) 38.21,28.52 IC503.5 IC503.6 ; v1(32.1,28.47) 30.59,28.47
  Top w0.3: IC504.6 IC504.5
  Bottom w0.15: 32.98,23.79 R507.2 35.87,25.36 JP501.2 35.87,27.63 36.85,28.61 v1(38.12,28.61) ; Q502.1 32.8,27.77 v1(32.1,28.47)
/Comm. ifaces, Misc/I2C_SCL: length 29.7
  Top w0.2: IC507.3 IC507.2 ; IC507.2 39.92,55.67 v1(40.32,56.07) ; IC507.2 36.85,55.67 35.22,54.04 31.67,54.04 30.52,55.19 30.52,57.56 25.12,62.96 v1(25.12,67.94)
  Bottom w0.2: 41.5,56.64 40.93,56.07 v1(40.32,56.07) ; v1(25.12,67.94) 25.09,67.97 U302.11
/Comm. ifaces, Misc/I2C_SDA: length 17.4
  Top w0.2: v1(25.92,67.34) 25.92,63.34 31.09,58.17 v1(31.7,58.17) 31.8,58.27 IC507.9 IC507.10
  Bottom w0.2: v1(31.7,58.17) 30.52,58.17 ; v1(25.92,67.34) 25.9,67.32 U302.10
/Comm. ifaces, Misc/LCD_CS: length 20.4
  Top w0.15: 17.57,45.46 18.84,45.46 23.32,49.94 v1(27.62,49.94) ; v1(31.77,49.19) 32.28,48.68 32.28,47.41 32.57,47.12 IC505.10 IC505.9
  Bottom w0.15: v1(31.77,49.19) 31.02,49.94 v1(27.62,49.94)
/Comm. ifaces, Misc/LCD_DATA: length 15.5
  Top w0.15: 17.57,40.38 18.94,40.38 21.02,42.46 26.64,42.46 29.35,45.17 IC506.2 IC506.3
/Comm. ifaces, Misc/LCD_LEDs: length 17.4
  Top w0.15: IC506.9 IC506.10 23,47.12 20.02,44.14 16.42,44.14 15.82,43.54 15.82,39.34 15.59,39.11 J400.11
/Comm. ifaces, Misc/LoRa_Antenna: length 11.7
  Bottom w0.34: 1.89,46.65 5.35,46.65 6.62,47.91 6.62,51.44 5.71,52.35 U501.9
/Comm. ifaces, Misc/LoRa_CS: length 34.9
  Top w0.15: IC504.9 IC504.10 23.24,28.52 v1(23.22,28.54)
  Bottom w0.15: U501.5 20.71,58.35 22.52,56.54 22.52,50.54 20.82,48.84 20.82,30.94 v1(23.22,28.54)
/Comm. ifaces, Misc/LoRa_MISO: length 40
  Top w0.15: v1(32.05,29.54) 32.42,29.17 IC503.9 IC503.10
  Bottom w0.15: v1(32.05,29.54) 30.92,29.54 28.37,32.09 27.07,32.09 24.84,34.32 24.84,47.56 25.34,48.06 25.34,59.19 23.02,61.51
/Comm. ifaces, Misc/LoRa_MOSI: length 51.3
  Top w0.15: v1(27.82,31.04) 34.49,31.04 35.32,30.21 35.32,28.36 36.46,27.22 IC503.3 IC503.2
  Bottom w0.15: U501.3 20.68,62.35 21.92,61.11 21.92,60.44 24.32,58.04 24.32,49.04 23.54,48.26 23.54,33.91 26.42,31.04 v1(27.82,31.04)
/Comm. ifaces, Misc/LoRa_SCK: length 40.7
  Top w0.15: IC504.2 IC504.3 28.94,27.22 25.52,30.64 v1(24.32,30.64)
  Bottom w0.15: v1(24.32,30.64) 22.64,32.31 22.64,48.96 23.42,49.74 23.42,57.64 20.71,60.35 U501.4
/Comm. ifaces, Misc/LoRa_SPI_MISO: length 3.4
  Bottom w0.15: U501.2 20.68,64.35 21.87,63.16 23.02,63.16
/Comm. ifaces, Misc/Multi_MISO: length 82
  Top w0.15: v1(27.96,40.55) 26.53,39.12 IC501.10 IC501.9 24.53,39.74 23.3,39.74 21.24,37.68 21.24,37.66 18.88,35.3 17.57,35.3 ; v1(89.43,30.9) 88.19,32.14 42.47,32.14 40.07,34.54 30.67,34.54 v1(28.97,36.23)
  Bottom w0.15: v1(27.96,40.55) 27.96,38.52 28.97,37.5 v1(28.97,36.23) ; 90.47,30.97 89.5,30.97 v1(89.43,30.9)
/Comm. ifaces, Misc/Multi_MOSI: length 83.8
  Top w0.15: IC501.2 31.3,37.17 32.93,35.54 40.62,35.54 41.12,35.04 93.23,35.04 v1(93.72,34.54) J302.3 ; IC501.2 28.97,37.17 26.74,34.94 21.05,34.94 18.88,32.76 17.57,32.76 ; IC501.2 IC501.3
  Bottom w0.15: 92.12,36.14 v1(93.72,34.54)
/Comm. ifaces, Misc/Multi_SCK: length 87.9
  Top w0.15: IC502.2 IC502.3 38.18,37.82 v1(38.12,37.76) ; 95.32,32.11 92.59,32.11 90.32,29.84 88.92,29.84 88.22,30.54 43.12,30.54 39.82,33.84 v1(38.12,33.84) 34.53,33.84 34.35,34.01 22.67,34.01 18.88,30.22 17.57,30.22
  Bottom w0.15: v1(38.12,33.84) v1(38.12,37.76)
/Comm. ifaces, Misc/Pico_LCD_CS: length 16.1
  Top w0.15: v1(34.92,46.44) 34.89,46.47 IC505.11
  Bottom w0.15: v1(34.92,46.44) 36.22,47.74 45.9,47.74 R323.2
/Comm. ifaces, Misc/Pico_RTP_CS: length 28.8
  Top w0.15: v1(41.21,43.9) 40.59,44.52 IC505.1
  Bottom w0.15: v1(41.21,43.9) 41.21,42.29 45.7,37.79 45.7,21.24 R308.1
/Comm. ifaces, Misc/Pico_SPI0_MISO: length 24
  Top w0.15: IC501.11 26.89,38.47 30.36,41.94 37.99,41.94 v1(38.02,41.91)
  Bottom w0.15: v1(38.02,41.91) 38.02,43.54 39.95,45.47 R324.2
/Comm. ifaces, Misc/Pico_SPI0_MOSI: length 37.5
  Top w0.15: v1(56.25,34.44) 56.23,34.45 40.9,34.45 40.32,35.04 32.42,35.04 30.94,36.52 30.92,36.52
  Bottom w0.15: v1(56.25,34.44) 56.25,44.89 R321.2
/Comm. ifaces, Misc/Pico_SPI0_SCK: length 23.9
  Top w0.15: IC502.1 53.74,36.52 v1(53.75,36.51)
  Bottom w0.15: R322.2 53.75,43.89 v1(53.75,36.51)
/Comm. ifaces, Misc/Pico_SPI1_CS: length 35.4
  Top w0.15: v1(54.02,18.74) 33.42,18.74 29.87,22.29 29.87,23.83 25.83,27.87 IC504.11
  Bottom w0.15: v1(54.02,18.74) 54.92,19.64 R306.1
/Comm. ifaces, Misc/Pico_SPI1_MISO: length 29.1
  Top w0.15: v1(57.5,18.66) 57.5,19.46 55.92,21.04 41.42,21.04 34.59,27.87 IC503.11
  Bottom w0.15: R305.1 v1(57.5,18.66)
/Comm. ifaces, Misc/Pico_SPI1_MOSI: length 24
  Top w0.15: 40.05,25.92 40.05,25.91 43.82,22.14 56.6,22.14 v1(60.07,18.66)
  Bottom w0.15: R304.1 60.1,18.68 v1(60.07,18.66)
/Comm. ifaces, Misc/Pico_SPI1_SCK: length 36.5
  Top w0.15: v1(62.6,18.66) 61.48,17.54 57.02,17.54 54.72,19.84 37.12,19.84 31.04,25.92
  Bottom w0.15: R303.1 v1(62.6,18.66)
/Comm. ifaces, Misc/Pico_uSD_CS: length 56.2
  Top w0.15: v1(72.8,18.47) 71.53,19.74 71.53,26.38 69.97,27.94 43.52,27.94 39.12,32.34 v1(35.72,32.34) ; v1(35.7,38.47) IC502.11
  Bottom w0.15: R302.1 v1(72.8,18.47) ; v1(35.72,32.34) 35.7,32.36 v1(35.7,38.47)
/Comm. ifaces, Misc/RS485_A: length 21.7
  Bottom w0.15: 88.9,60.97 84.7,60.97 83.5,59.77 ; U503.6 78,51.07 78.62,51.69 78.62,53.82 77.72,54.72 77.72,59.11 78.67,60.06 R515.1 78.89,59.89 R504.2 80.93,59.47 D501.1
/Comm. ifaces, Misc/RS485_B: length 19.5
  Bottom w0.15: R506.1 R505.2 80.37,56.89 79.52,56.04 79.52,50.84 78.48,49.8 U503.7 ; 83.5,56.27 84.7,57.47 88.9,57.47 ; D502.2 81,55.97 80.57,55.54
